# Altium PCB BluetoothAdapter3.0.PcbDoc
Units mm, origin at the board's own origin, x right, y up, seen from the top; angles counter-clockwise.
Board outline 55.7 x 35.2 mm, 2 copper layers (Top Layer, Bottom Layer); 72 components, 53 nets, 222 pads, 145 vias.
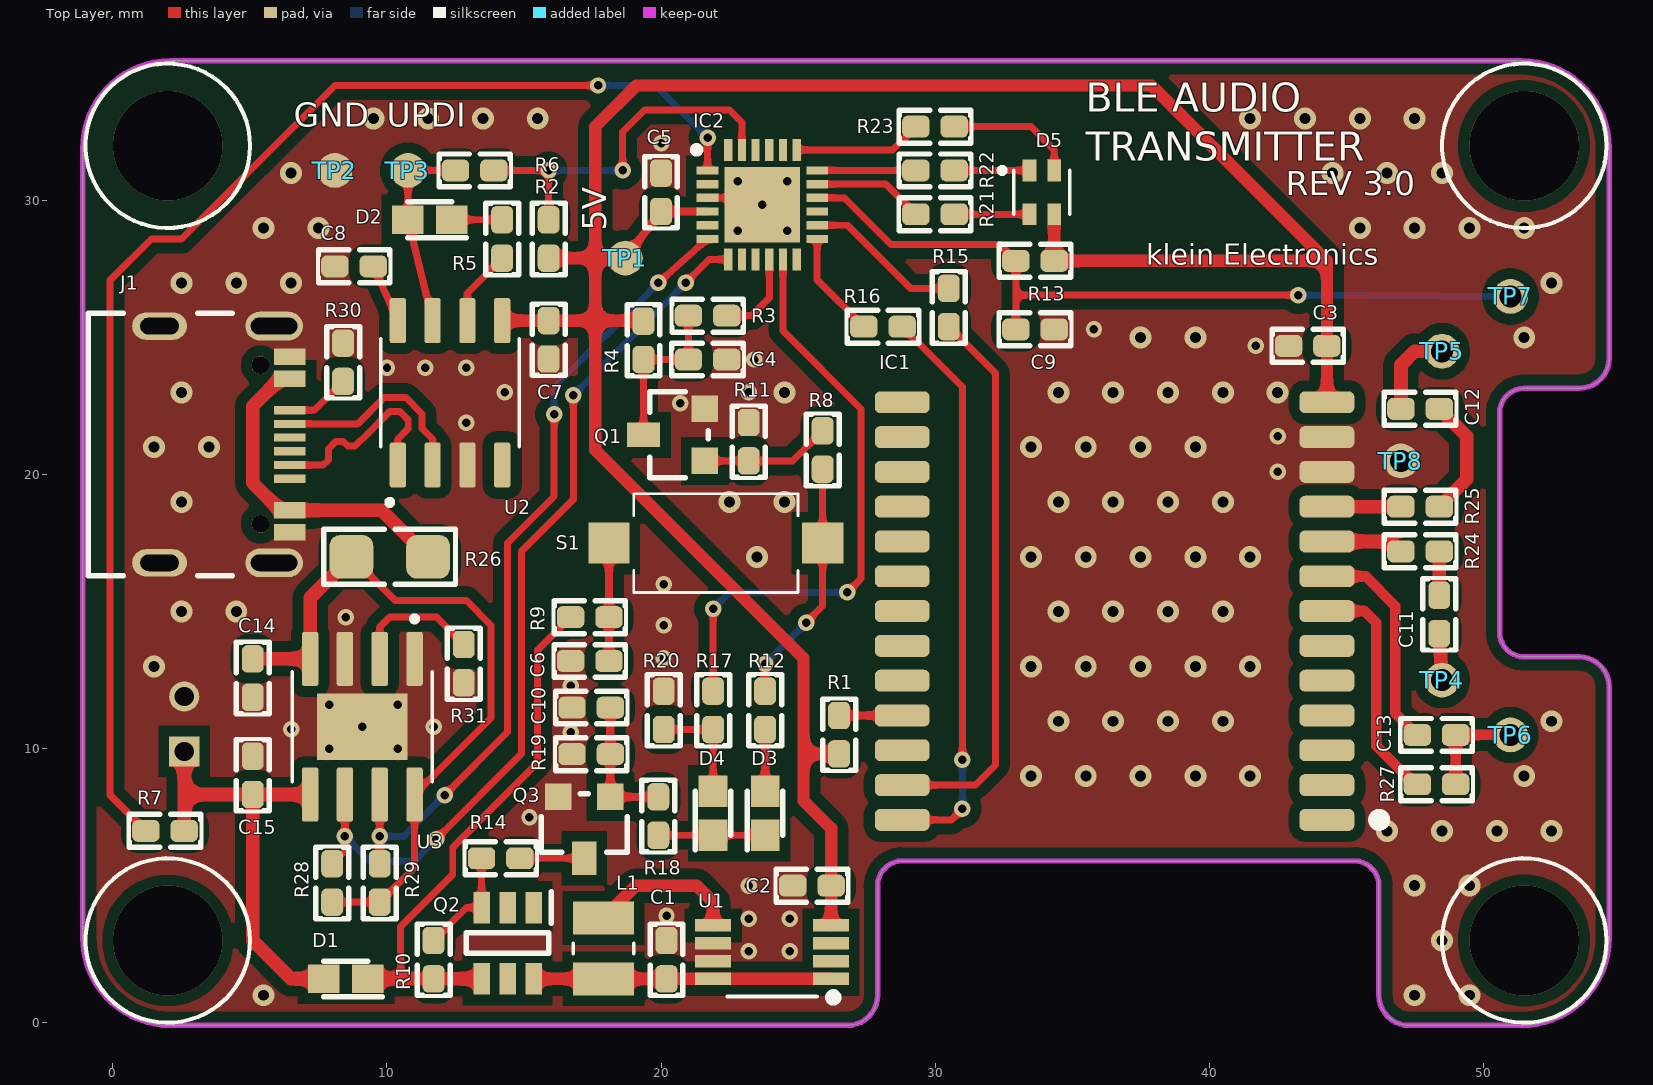
[diagram p0: Top Layer view]
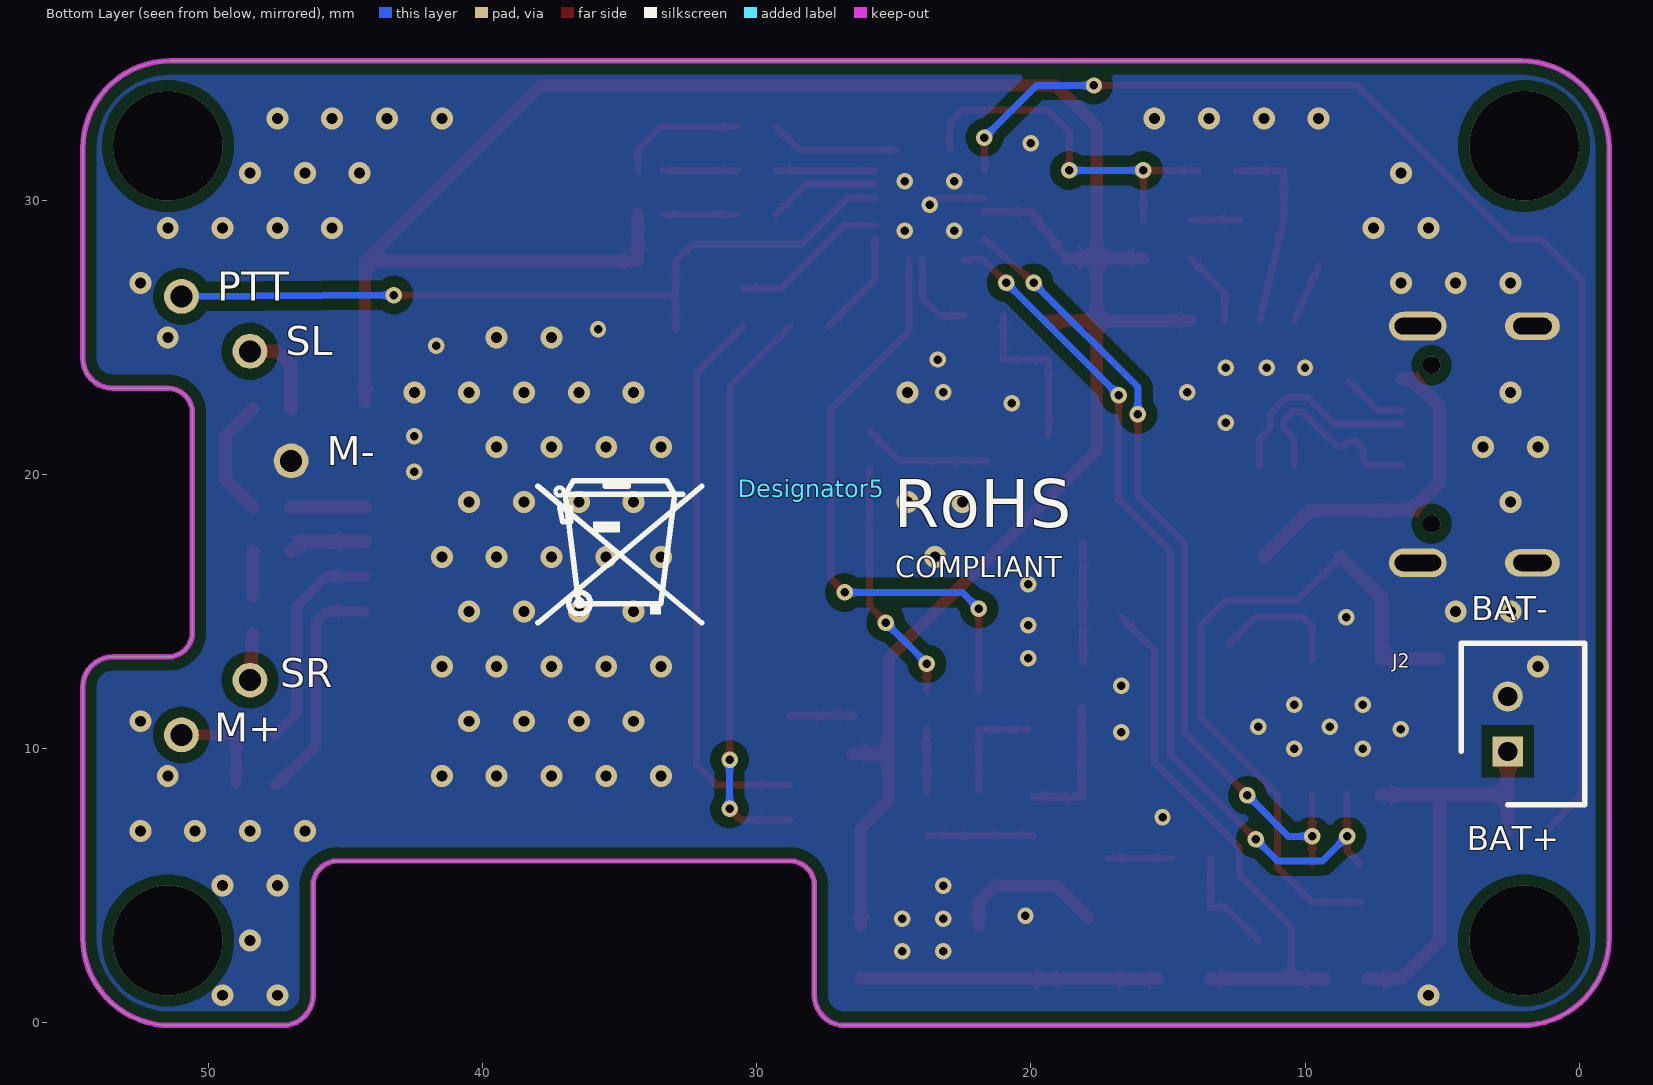
[diagram p1: Bottom Layer view, seen from below]
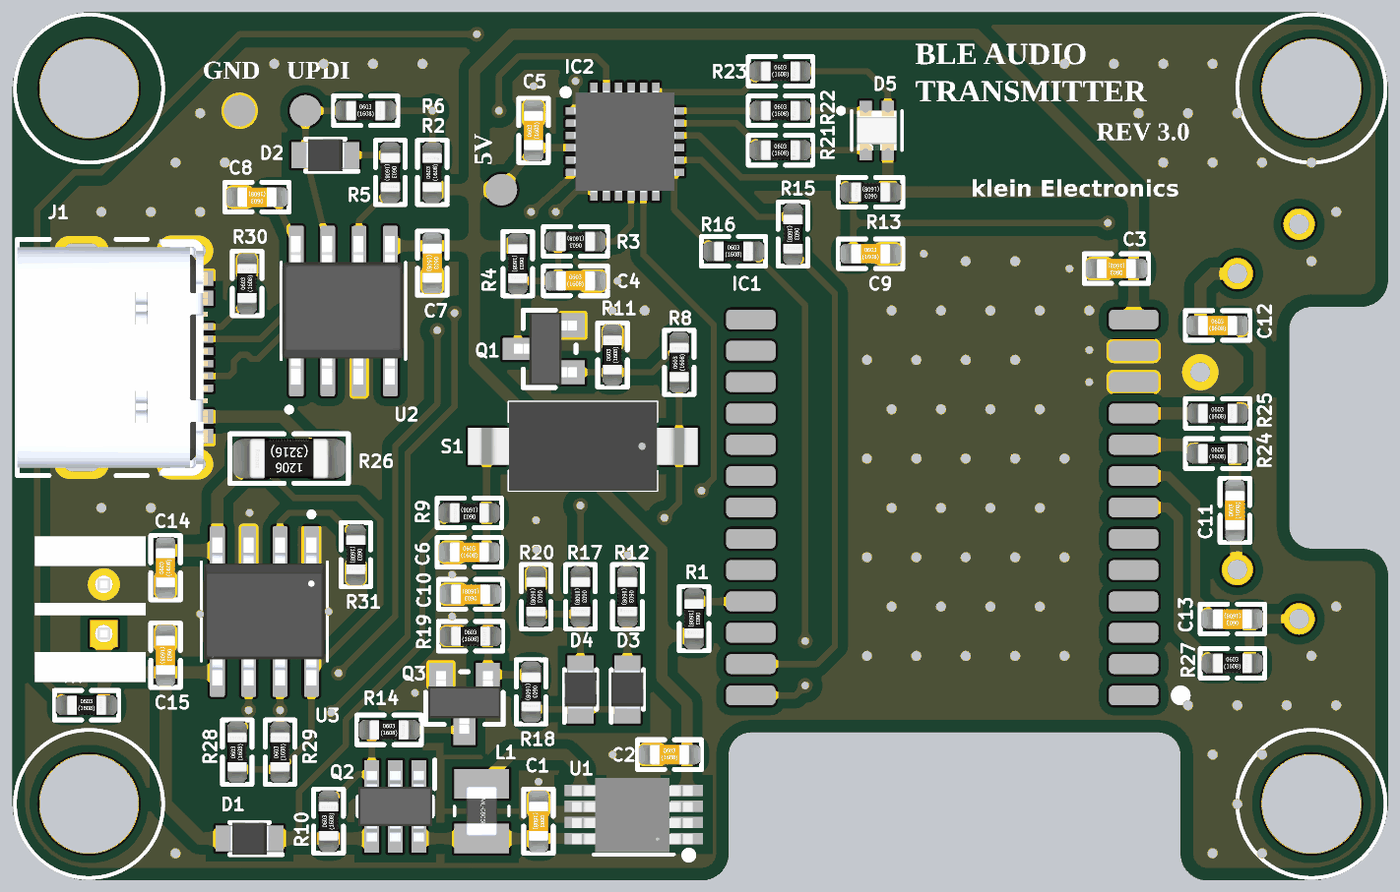
[diagram p2: 3D render of the assembled board from above, using the file's embedded part models]

## Layer stack, top to bottom
Top Solder: solder mask 0.0102, Solder Resist, Dk 3.5
Top Layer: signal copper 0.0356
Dielectric 1: dielectric 0.32, FR-4, Dk 4.8
Bottom Layer: signal copper 0.0356
Bottom Solder: solder mask 0.0102, Solder Resist, Dk 3.5

## Board outline
2.1,-0.1 26.8,-0.1 ccw(c26.8,1) 27.9,0.999 27.9,5 cw(c28.8,5) 28.799,5.9 45.3,5.9 cw(c45.3,5) 46.2,5.001 46.2,1 ccw(c47.3,1.001) 47.3,-0.1 51.389,-0.1 ccw(c51.411,3.089) 54.6,3.089 54.6,12.25 ccw(c53.5,12.25) 53.501,13.35 51.5,13.35 cw(c51.5,14.25) 50.6,14.25 50.6,22.25 cw(c51.5,22.25) 51.5,23.15 53.5,23.15 ccw(c53.5,24.25) 54.6,24.249 54.6,31.9 ccw(c51.4,31.9) 51.4,35.1 2.1,35.1 ccw(c2.1,31.9) -1.1,31.9 -1.1,3.101 ccw(c2.1,3.1)

## Design rules (kind name [scope] priority, off if disabled: settings)
Clearance Clearance_2 [InPoly] p1: gap=0.4 ignorepadtopadclearanceinfootprint=FALSE
Clearance Clearance_Footprint [HasFootprint('QFN50P400X400X90-25N-D') = false or InComponent('IC2')] p2: gap=0.15 ignorepadtopadclearanceinfootprint=FALSE
Clearance [All] p3: gap=0.254 ignorepadtopadclearanceinfootprint=FALSE
DiffPairsRouting [All] p1: maxlimit=0.254 minlimit=0.254 mostfreqgap=0.254 toplayer_minwidth=0.254 toplayer_maxwidth=0.381 toplayer_prefwidth=0.381 bottomlayer_minwidth=0.254 bottomlayer_maxwidth=0.381 bottomlayer_prefwidth=0.381 maxuncoupledlength=12.7
HoleSize [All] p1: absolutevalues=TRUE maxlimit=10 minlimit=0.025 maxpercent=80.000 minpercent=20.000
MatchedLengths [InDifferentialPairClass('USB2.0')] p1: tolerance=0.127 checknetsindiffpair=TRUE checkdiffpairvsdiffpair=FALSE checkxsignals=FALSE checkothers=FALSE
MinimumSolderMaskSliver [All] p1: minsoldermaskwidth=0
PolygonConnect [All] p1: connectstyle=Direct reliefconductorwidth=0.254 reliefentries=4 polygonreliefangle="90 Angle" airgapwidth=0.254
RoutingVias [All] p1: holewidth=0.31 width=0.6 viastyle="Through Hole" minholewidth=0.3 minwidth=0.6 maxholewidth=10 maxwidth=10
SilkToSilkClearance [All] p1: silktosilkclearance=0
SilkToSolderMaskClearance [IsPad] p1: minsilkscreentomaskgap=0 clearancetoexposedcopper=TRUE
SolderMaskExpansion [All] p1: expansion=0.102
Width [All] p1: maxlimit=2 minlimit=0.2 preferedwidth=0.254
25 further rules are at their usual default settings.

## Classes and differential pairs
differential pair class USB2.0: D
differential pair D: +D_P -D_N

## Components (designator, comment, footprint, x,y, rotation, side; value= is the part's Value field where it differs from the comment)
C1 "CAP CER 10UF 16V X5R 0603" C0603S 20.2,2.3 r270 top value=10uF/16V
C2 "CAP CER 10UF 16V X5R 0603" C0603S 25.506,5 r0 top value=10uF/16V
C3 "CAP CER 0.1UF 25V X7R 0603" C0603S 43.6,24.7 r180 top value=0.1uF/25V
C4 "CAP CER 0.1UF 25V X7R 0603" C0603S 21.7,24.2 r0 top value=0.1uF/25V
C5 "CAP CER 0.1UF 25V X7R 0603" C0603S 20,30.3 r90 top value=0.1uF/25V
C6 "CAP CER 100PF 25V X7R 0603" C0603S 17.4,13.2 r0 top value=100pF/25V
C7 "CAP CER 0.1UF 25V X7R 0603" C0603S 15.9,24.92 r270 top value=0.1uF/25V
C8 "CAP CER 0.1UF 25V X7R 0603" C0603S 8.8,27.6 r180 top value=0.1uF/25V
C9 "CAP CER 0.1UF 25V X7R 0603" C0603S 33.65,25.3 r0 top value=0.1uF/25V
C10 "CAP CER 0.1UF 25V X7R 0603" C0603S 17.45,11.5 r180 top value=0.1uF/25V
C11 "CAP CER 10UF 16V X5R 0603" C0603S 48.4,14.9 r90 top value=10uF/16V
C12 "CAP CER 10UF 16V X5R 0603" C0603S 47.7,22.4 r0 top value=10uF/16V
C13 "CAP CER 10UF 16V X5R 0603" C0603S 48.3,10.5 r180 top value=10uF/16V
C14 "CAP CER 10UF 16V X5R 0603" C0603S 5.1,12.575 r90 top value=10uF/16V
C15 "CAP CER 10UF 16V X5R 0603" C0603S 5.1,9.025 r270 top value=10uF/16V
D1 "DIODE SCHOTTKY 20V 1A 0805" DIOM1613X100N 8.5,1.6 r180 top value=SD0805S020S1R0
D2 "DIODE SCHOTTKY 20V 1A 0805" DIOM1613X100N 11.565,29.3 r180 top value=SD0805S020S1R0
D3 "DIODE SCHOTTKY 20V 1A 0805" DIOM1613X100N 23.8,7.64 r90 top value=SD0805S020S1R0
D4 "DIODE SCHOTTKY 20V 1A 0805" DIOM1613X100N 21.9,7.64 r90 top value=SD0805S020S1R0
D5 "LED RGB MIXED WHITE ( 1.6(L)X1.6" LED_B38G3RGB-10D0003H2U1930 33.9,30.3 r0 top value=B38G3RGB-10D0003H2U1930
Designator5 "Comment" PRT-13854 28,19.5 r180 bottom
IC1 "AUDIO BLE/SPP PASS-THROUGH MODU" DFR0781 44.3,22.64 r180 top value=DFR0781
IC2 "IC MCU 8BIT 32KB FLASH 24VQFN" QFN50P400X400X90-25N-D 23.7,29.85 r0 top value=ATTINY3217-MNR
J1 "CONN RCP USB2.0 TYP C 24P SMD RA" GCT_USB4105-GF-A 1.7,21.1 r270 top value=USB4105-GF-A
J2 "CONN HEADER VERT 2POS 2MM" SHDR2W50P0X200_1X2_590X450X600P 2.6,9.9 r270 bottom value=B2B-PH-K-S(LF)(SN)
L1 "FIXED IND 4.7UH 1.3A 120MOHM SMD" INDC2520X100N 17.9,2.71 r270 top value=4.7uH
Q1 "TRANS NPN 25V 0.5A SOT23" SOT23-3D 21.6,20.5 r90 top value=S8050
Q2 "MOSFET P-CH 30V 5A 6CPH" SOT95P285X140-6N 14.4,2.9 r270 top value=CPH6341-TL-W
Q3 "TRANS NPN 25V 0.5A SOT23" SOT23-3D 18.15,8.24 r180 top value=S8050
R1 "RES 10K OHM 1% 1/10W 0603" R0603S 26.5,10.51 r270 top value=10K
R2 "RES 100K OHM 1% 1/10W 0603" R0603S 15.9,28.6 r90 top value=100K
R3 "RES 56 OHM 1% 1/10W 0603" R0603S 21.7,25.8 r180 top value=56R
R4 "RES 10K OHM 1% 1/10W 0603" R0603S 19.36,24.9 r270 top value=10K
R5 "RES 1K OHM 1% 1/10W 0603" R0603S 14.2,28.6 r270 top value=1K
R6 "RES 470 OHM 1% 1/10W 0603" R0603S 13.2,31.1 r0 top value=470R
R7 "RES 10K OHM 1% 1/10W 0603" R0603S 1.9,7 r0 top value=10K
R8 "RES 10K OHM 1% 1/10W 0603" R0603S 25.9,20.9 r90 top value=10K
R9 "RES 56 OHM 1% 1/10W 0603" R0603S 17.4,14.8 r180 top value=56R
R10 "RES 10K OHM 1% 1/10W 0603" R0603S 11.7,2.3 r90 top value=10K
R11 "RES 10K OHM 1% 1/10W 0603" R0603S 23.2,21.2 r90 top value=10K
R12 "RES 10K OHM 1% 1/10W 0603" R0603S 23.8,11.4 r270 top value=10K
R13 "RES 10K OHM 1% 1/10W 0603" R0603S 33.65,27.8 r180 top value=10K
R14 "RES 1K OHM 1% 1/10W 0603" R0603S 14.15,6 r0 top value=1K
R15 "RES 1K OHM 1% 1/10W 0603" R0603S 30.5,26.1 r270 top value=1K
R16 "RES 1K OHM 1% 1/10W 0603" R0603S 28.1,25.4 r0 top value=1K
R17 "RES 200 OHM 1% 1/10W 0603" R0603S 21.9,11.4 r270 top value=200R
R18 "RES 1K OHM 1% 1/10W 0603" R0603S 19.9,7.54 r270 top value=1K
R19 "RES 200K OHM 1% 1/10W 0603" R0603S 17.45,9.8 r0 top value=200K
R20 "RES 10K OHM 1% 1/10W 0603" R0603S 20.1,11.4 r270 top value=10K
R21 "RES 1K OHM 1% 1/10W 0603" R0603S 30,29.5 r0 top value=1K
R22 "RES 1K OHM 1% 1/10W 0603" R0603S 30,31.1 r0 top value=1K
R23 "RES 1K OHM 1% 1/10W 0603" R0603S 30,32.7 r0 top value=1K
R24 "RES 22 OHM 5% 1/10W 0603" R0603S 47.7,17.2 r0 top value=22R
R25 "RES 22 OHM 5% 1/10W 0603" R0603S 47.7,18.83 r0 top value=22R
R26 "RES 0.4 OHM 1% 1/4W 1206" R1206S 10.1,17 r180 top value=0.4R
R27 "RES 6.2K OHM 1% 1/10W 0603" R0603S 48.3,8.7 r0 top value=6.2K
R28 "RES 2K OHM 1% 1/10W 0603" R0603S 8,5.1 r90 top value=2K
R29 "RES 2K OHM 1% 1/10W 0603" R0603S 9.735,5.1 r90 top value=2K
R30 "RES 5.1K OHM 1% 1/10W 0603" R0603S 8.4,24.1 r90 top value=5.1K
R31 "RES 2.7K OHM 1% 1/10W 0603" R0603S 12.8,13.1 r270 top value=2.7K
S1 "SWITCH TACTILE SPST-NO 0.05A 12V" RS282G05A3SMRT 22,17.5 r180 top value="RS-282G05A3-SM RT"
TP1 "TP" TP#1 18.7,27.9 r90 top
TP2 "TP" TP#1 8.1,31.1 r90 top
TP3 "TP" TP#1 10.765,31.1 r90 top
TP4 "TP" TP#2 48.5,12.5 r180 top
TP5 "TP" TP#2 48.5,24.5 r180 top
TP6 "TP" TP#2 51,10.5 r180 top
TP7 "TP" TP#2 51,26.5 r180 top
TP8 "TP" TP#2 47,20.5 r180 top
U1 "IC REG BOOST 5V 800MA 8MSOP" MCP1642B-50I/MS 24,2.448 r180 top value=MCP1642B-50I/MS
U2 "IC USB TO UART BRIDGE SOP-8" SOIC127P602X173-8N 12.3,22.985 r90 top value=CH340N
U3 "ESOP-8 Battery Management ICs" SOP127P600X175-9N 9.1,10.8 r270 top value=TP4056

## Footprints (in the part's own frame and the unit in brackets; to place one, negate y for a bottom-side part, rotate by r counter-clockwise, add the part's x,y. Pads: shape width x height; smd on the part's side, far side on the other; paste and mask are expansions set on the pad)
C0603S [mm] "CHIP Capacitor, 1.6X0.8mm, 0603, soldered"
  rrect50% 1x0.8 smd mask+0.075: 1(-0.7,0) 2(0.7,0)
  silkscreen extent -1.33,-0.6 1.32,0.6, body extent -1.28,-0.48 1.28,0.48, height 0.8
DFR0781 [mm]
  rrect50% 2x0.8 smd: 1(0,15.24) 2(0,13.97) 3(0,12.7) 4(0,11.43) 5(0,10.16) 6(0,8.89) 7(0,7.62) 8(0,6.35) 9(0,5.08) 10(0,3.81) 11(0,2.54) 12(0,1.27) 13(0,0) 14(15.5,0) 15(15.5,1.27) 16(15.5,2.54) 17(15.5,3.81) 18(15.5,5.08) 19(15.5,6.35) 20(15.5,7.62) 21(15.5,8.89) 22(15.5,10.16) 23(15.5,11.43) 24(15.5,12.7) 25(15.5,13.97) 26(15.5,15.24)
  silkscreen extent -2.1,15.04 -1.71,15.44, body extent -0.1,-0.9 15.6,22.54, height 2
DIOM1613X100N [mm]
  rect 1.15x1.05 smd: 1(-0.8,0) 2(0.8,0)
  silkscreen extent -1.33,-0.65 0.8,0.65, body extent -0.8,-0.65 0.8,0.65, height 1
GCT_USB4105-GF-A [mm]
  rect 0.6x1.15 smd: A1_B12(-3.2,4.755) A4_B9(-2.4,4.755) B1_A12(3.2,4.755) B4_A9(2.4,4.755)
  rect 0.3x1.15 smd: A5(-1.25,4.755) A6(-0.25,4.755) A7(0.25,4.755) A8(1.25,4.755) B6(0.75,4.755) B7(-0.75,4.755)
  oval 1.05x2.1 hole 0.6 slot 1.7 at 90 deg: S1(-4.32,4.18) S4(4.32,4.18)
  oval 1x2 hole 0.6 slot 1.4 at 90 deg: S2(-4.32,0) S3(4.32,0)
  round 0.65 hole 0.65 unplated: ""(-2.89,3.68) ""(2.89,3.68)
  silkscreen extent -4.79,-2.6 4.79,2.65, body extent -4.79,-2.6 4.79,5.11, height 3.31
INDC2520X100N [mm]
  rect 1.2x2.22 smd: 1(-1.11,0) 2(1.11,0)
  silkscreen extent -0.19,-1.1 0.19,1.1, body extent -1,-0.63 1,0.63, height 0.82
LED_B38G3RGB-10D0003H2U1930 [mm]
  rect 0.5x0.8 smd: 1(-0.45,0.8) 2(0.45,0.8) 3(0.45,-0.8) 4(-0.45,-0.8)
  silkscreen extent -1.55,-0.8 1.02,0.9, body extent -0.8,-0.8 0.8,0.8, height 0.4
MCP1642B-50I/MS [mil]
  rect 51.46x18 smd paste+0 mask+0: 1(-86.85,33.39) 2(-86.85,7.8) 3(-86.85,-17.8) 4(-86.85,-43.39) 5(82.6,-43.39) 6(82.6,-17.8) 7(82.6,7.8) 8(82.6,33.39)
  silkscreen extent -96,54 62,66, body extent -96,-63 96,55, height 43
PRT-13854 [mm]
  body extent -20.2,-19 22.8,15, height 7
QFN50P400X400X90-25N-D [mm]
  rect 0.8x0.3 smd: 1(-2,1.25) 2(-2,0.75) 3(-2,0.25) 4(-2,-0.25) 5(-2,-0.75) 6(-2,-1.25) 13(2,-1.25) 14(2,-0.75) 15(2,-0.25) 16(2,0.25) 17(2,0.75) 18(2,1.25)
  rect 0.3x0.8 smd: 7(-1.25,-2) 8(-0.75,-2) 9(-0.25,-2) 10(0.25,-2) 11(0.75,-2) 12(1.25,-2) 19(1.25,2) 20(0.75,2) 21(0.25,2) 22(-0.25,2) 23(-0.75,2) 24(-1.25,2)
  rect 2.75x2.75 smd: 25(0,0)
  silkscreen extent -2.52,1.88 -2.27,2.12, body extent -2.05,-2.05 2.05,2.05, height 0.9
R0603S [mm] "CHIP Resistor 1/10 WATT, 1.6x0.8mm, 0603, 1608, soldered"
  rrect50% 1x0.8 smd mask+0.05: 1(-0.7,0) 2(0.7,0)
  silkscreen extent -1.32,-0.6 1.32,0.6, body extent -1.23,-0.4 1.23,0.4, height 0.8
R1206S [mm] "CHIP RESISTOR 1/4 WATT, Body 3.2x1.6mm,1206, 3216, soldered"
  rrect50% 1.6x1.6 smd mask+0.075: 1(-1.4,0) 2(1.4,0)
  Top Layer pour cut-out: -0.8,1 -0.8,-1 0.8,-1 0.8,1
  silkscreen extent -2.4,-1 2.4,1, body extent -2.27,-0.8 2.27,0.8, height 1.25
RS282G05A3SMRT [mm]
  rect 1.5x1.5 smd: 1(-3.9,0) 2(3.9,0)
  silkscreen extent -3,-1.8 3,1.8, body extent -4.65,-1.8 4.65,1.8, height 2.49
SHDR2W50P0X200_1X2_590X450X600P [mm]
  rect 1.1x1.1 / inner round 1.1 / far side rect 1.1x1.1 hole 0.7: 1(0,0)
  round 1.1 hole 0.7: 2(-2,0)
  silkscreen extent -3.95,-1.7 1.95,2.8, body extent -3.95,-1.7 1.95,2.8, height 3.4
SOIC127P602X173-8N [mm]
  rrect25% 1.64x0.59 smd: 1(-2.635,1.905) 2(-2.635,0.635) 3(-2.635,-0.635) 4(-2.635,-1.905) 5(2.635,-1.905) 6(2.635,-0.635) 7(2.635,0.635) 8(2.635,1.905)
  silkscreen extent -4.1,-2.52 1.97,2.52, body extent -2.99,-2.43 3.03,2.48, height 1.66
SOP127P600X175-9N [mm]
  rrect25% 1.97x0.6 smd: 1(-2.475,1.905) 2(-2.475,0.635) 3(-2.475,-0.635) 4(-2.475,-1.905) 5(2.475,-1.905) 6(2.475,-0.635) 7(2.475,0.635) 8(2.475,1.905)
  rect 2.413x3.302 smd paste-3: 9(0,0)
  silkscreen extent -4.04,-2.55 2,2.55, body extent -3,-2.45 3,2.45, height 1.7
SOT23-3D [mm]
  rect 0.965x0.965 smd: 1(0,0) 3(1.9,0)
  rect 0.889x1.219 smd: 2(0.95,2.24)
  silkscreen extent -0.62,-0.12 2.52,2.02, body extent -0.51,-0.15 2.41,2.39, height 1
SOT95P285X140-6N [mm]
  rect 1.15x0.6 smd: 1(-1.3,0.95) 2(-1.3,0) 3(-1.3,-0.95) 4(1.3,-0.95) 5(1.3,0) 6(1.3,0.95)
  silkscreen extent -1.88,-1.5 0.38,1.6, body extent -1.43,-1.5 1.43,1.5, height 1.4
TP#1 [mm]
  round 1.27 smd: 1(0,0)
TP#2 [mm]
  round 1.27 hole 0.8: 1(0,0)

## Part data
C1 C2 C11 C12 C13 C14 C15: library part Cap, "10 µF ±20% 16V Ceramic Capacitor X5R 0603 (1608 Metric)", Digi-Key Part Number=490-10729-6-ND, Manufacturer="Murata Electronics", Manufacturer Product Number=GRM188R61C106MAALD, TemperatureCoefficient=X5R, Digi-Key PurchaseURL=https://www.digikey.com/en/products/detail/murata-electronics/GRM188R61C106MAALD/4905340
C3 C4 C5 C7 C8 C9 C10: library part Cap, "0.1 µF ±10% 25V Ceramic Capacitor X7R 0603 (1608 Metric)", Digi-Key Part Number=399-C0603C104K3RAC7867TR-ND, Manufacturer=KEMET, Manufacturer Product Number=C0603C104K3RAC7867, TemperatureCoefficient=X7R, Digi-Key PurchaseURL=https://www.digikey.com/en/products/detail/kemet/C0603C104K3RAC7867/416044
C6: library part Cap, "0.1 µF ±10% 25V Ceramic Capacitor X7R 0603 (1608 Metric)", Digi-Key Part Number=399-C0603C101K3RACAUTODKR-ND, Manufacturer=KEMET, Manufacturer Product Number=C0603C101K3RACAUTO, TemperatureCoefficient=X7R, Digi-Key PurchaseURL=https://www.digikey.com/en/products/detail/kemet/C0603C101K3RACAUTO/10642423
D1 D2 D3 D4: library part SD0805S020S1R0, "Diode 20 V 1A Surface Mount 0805 (2012 Metric)", Digi-Key Part Number=581-SD0805S020S1R0, Manufacturer=AVX, Digi-Key PurchaseURL=https://www.mouser.co.uk/ProductDetail/AVX-Kyocera/SD0805S020S1R0?qs=jCA%252BPfw4LHbpkAoSnwrdjw%3D%3D, Manufacturer Product Number=SD0805S020S1R0
D5: library part B38G3RGB-10D0003H2U1930, "Red, Green, Blue (RGB) LED Indication - Discrete 2V Red, 3V Green, 3V Blue 0606 (1616 Metric)", Digi-Key Part Number=3147-B38G3RGB-10D0003H2U1930DKR-ND, Manufacturer="Harvatek Corporation", Digi-Key PurchaseURL=https://www.digikey.com/en/products/detail/harvatek-corporation/B38G3RGB-10D0003H2U1930/13588733?s=N4IgTCBcDaIEIGYAcBxBAlFcC0BGADACL4kIASYAqrgJwL4gC6AvkA, Manufacturer Product Number=B38G3RGB-10D0003H2U1930
IC1: library part DFR0781, "Bluetooth Bluetooth v5.0 Transceiver Module Antenna Not Included Surface Mount", Digi-Key Part Number=1738-DFR0781-ND, Manufacturer=DFRobot, Digi-Key PurchaseURL=https://www.digikey.com/en/products/detail/dfrobot/DFR0781/13688344?s=N4IgTCBcDaICYDMBOAGA7ADgIwgLoF8g, Manufacturer Product Number=DFR0781
IC2: library part ATTINY3217-MNR, "AVR tinyAVR™ 1, Functional Safety (FuSa) Microcontroller IC 8-Bit 20MHz 32KB (32K x 8) FLASH 24-VQFN (4x4)", Digi-Key Part Number=ATTINY3217-MNRDKR-ND, Manufacturer=Microchip, Digi-Key PurchaseURL=https://www.digikey.com/en/products/detail/microchip-technology/ATTINY3217-MNR/9477738?s=N4IgTCBcDaIIIBUEEkByBNAzGAjAdgFoBZVAJRAF0BfIA, Manufacturer Product Number=ATTINY3217-MNR
J1: library part USB4105-GF-A, "USB-C (USB TYPE-C) USB 2.0 Receptacle Connector 24 (16+8 Dummy) Position Surface Mount, Right Angle; Through Hole", Digi-Key Part Number=2073-USB4105-GF-ADKR-ND, Manufacturer=GCT, Digi-Key PurchaseURL=https://www.digikey.com/en/products/detail/gct/USB4105-GF-A/11198441, Manufacturer Product Number=USB4105-GF-A
J2: library part B2B-PH-K-S(LF)(SN), "Connector Header Through Hole 2 position 0.079\" (2.00mm)", Digi-Key Part Number=455-1704-ND, Manufacturer="JST Sales America Inc.", Digi-Key PurchaseURL=https://www.digikey.com/en/products/detail/jst-sales-america-inc/B2B-PH-K-S-LF-SN/926611, Manufacturer Product Number=B2B-PH-K-S(LF)(SN)
L1: library part AIML-1008HC-4R7M-T, "4.7 µH Shielded Multilayer Inductor 1.3 A 120mOhm 1008 (2520 Metric)", Digi-Key Part Number=535-12797-6-ND, Manufacturer="Abracon LLC", Digi-Key PurchaseURL=https://www.digikey.com/en/products/detail/abracon-llc/AIML-1008HC-4R7M-T/5043494?s=N4IgTCBcDaIIIEkCyAZAtARgAxYBwAkBhNAFgCUB2JNAFRAF0BfIA, Manufacturer Product Number=AIML-1008HC-4R7M-T
Q1 Q3: library part S8050, "Bipolar (BJT) Transistor NPN 25 V 500 mA 150MHz 300 mW Surface Mount SOT-23", Digi-Key Part Number=3372-S8050TR-ND, Manufacturer=MDD, Digi-Key PurchaseURL=https://www.digikey.com/en/products/detail/nextgen-components/S8050/16602420, Manufacturer Product Number=S8050
Q2: library part CPH6341-TL-W, "P-Channel 30 V 5A (Ta) 1.6W (Ta) Surface Mount 6-CPH", Digi-Key Part Number=CPH6341-TL-WOSDKR-ND, Manufacturer=onsemi, Digi-Key PurchaseURL=https://www.digikey.com/en/products/detail/onsemi/CPH6341-TL-W/4847611, Manufacturer Product Number=CPH6341-TL-W
R1 R4 R7 R8 R10 R11 R12 R13 R20: library part R0603, "10 kOhms ±1% 0.1W, 1/10W Chip Resistor 0603 (1608 Metric) Moisture Resistant Thick Film", Digi-Key Part Number=311-10.0KHRCT-ND, Manufacturer=YAGEO, Manufacturer Product Number=RC0603FR-0710KL, Digi-Key PurchaseURL=https://www.digikey.com/en/products/detail/yageo/RC0603FR-0710KL/726880
R2: library part R0603, "100 kOhms ±1% 0.1W, 1/10W Chip Resistor 0603 (1608 Metric) Moisture Resistant Thick Film", Digi-Key Part Number=311-100KHRDKR-ND, Manufacturer=YAGEO, Manufacturer Product Number=RC0603FR-07100KL, Digi-Key PurchaseURL=https://www.digikey.com/en/products/detail/yageo/RC0603FR-07100KL/726889?s=N4IgTCBcDaIEoGEAMA2JBmAYnAtEg7AIxJIDSAMiALoC%2BQA
R3 R9: library part R0603, "1 kOhms ±1% 0.1W, 1/10W Chip Resistor 0603 (1608 Metric) Moisture Resistant Thick Film", Digi-Key Part Number=311-56.0HRDKR-ND, Manufacturer=YAGEO, Manufacturer Product Number=RC0603FR-0756RL, Digi-Key PurchaseURL=https://www.digikey.com/en/products/detail/yageo/RC0603FR-0756RL/727301
R5 R14 R15 R16 R18 R21 R22 R23: library part R0603, "1 kOhms ±1% 0.1W, 1/10W Chip Resistor 0603 (1608 Metric) Moisture Resistant Thick Film", Digi-Key Part Number=311-1.00KHRTR-ND, Manufacturer=YAGEO, Manufacturer Product Number=RC0603FR-071KL, Digi-Key PurchaseURL=https://www.digikey.com/en/products/detail/yageo/RC0603FR-071KL/726843
R6: library part R0603, "470 Ohms ±1% 0.1W, 1/10W Chip Resistor 0603 (1608 Metric) Moisture Resistant Thick Film", Digi-Key Part Number=311-470HRDKR-ND, Manufacturer=YAGEO, Manufacturer Product Number=RC0603FR-07470RL, Digi-Key PurchaseURL=https://www.digikey.com/en/products/detail/yageo/RC0603FR-07470RL/727256
R17: library part R0603, "10 kOhms ±1% 0.1W, 1/10W Chip Resistor 0603 (1608 Metric) Moisture Resistant Thick Film", Digi-Key Part Number=311-200HRDKR-ND, Manufacturer=YAGEO, Manufacturer Product Number=RC0603FR-07200RL, Digi-Key PurchaseURL=https://www.digikey.com/en/products/detail/yageo/RC0603FR-07200RL/727043
R19: library part R0603, "100 kOhms ±1% 0.1W, 1/10W Chip Resistor 0603 (1608 Metric) Moisture Resistant Thick Film", Digi-Key Part Number=13-RC0603FR-10200KLDKR-ND, Manufacturer=YAGEO, Manufacturer Product Number=RC0603FR-10200KL, Digi-Key PurchaseURL=https://www.digikey.com/en/products/detail/yageo/RC0603FR-10200KL/14008344
R24 R25: library part R0603, "22 Ohms ±5% 0.1W, 1/10W Chip Resistor 0603 (1608 Metric) Moisture Resistant Thick Film", Digi-Key Part Number=311-22GRDKR-ND, Manufacturer=YAGEO, Manufacturer Product Number=RC0603JR-0722RL, Digi-Key PurchaseURL=https://www.digikey.com/en/products/detail/yageo/RC0603JR-0722RL/726743?s=N4IgTCBcDaIEoGEAMA2JBmAUnAtEg7GGHADIgC6AvkA
R26: library part R0603, "400 mOhms ±1% 0.25W, 1/4W Chip Resistor 1206 (3216 Metric) Automotive AEC-Q200, Current Sense, Moisture Resistant Thick Film", Digi-Key Part Number=311-.4LWDKR-ND, Manufacturer=YAGEO, Manufacturer Product Number=RL1206FR-070R4L, Digi-Key PurchaseURL=https://www.digikey.com/en/products/detail/yageo/RL1206FR-070R4L/3886028
R27: library part R0603, "6.2 kOhms ±1% 0.1W, 1/10W Chip Resistor 0603 (1608 Metric) Moisture Resistant Thick Film", Digi-Key Part Number=311-6.20KHRDKR-ND, Manufacturer=YAGEO, Manufacturer Product Number=RC0603FR-076K2L, Digi-Key PurchaseURL=https://www.digikey.com/en/products/detail/yageo/RC0603FR-076K2L/727319?s=N4IgTCBcDaIEoGEAMA2JBmAYnAtEg7CgNJgAyIAugL5A
R28 R29: library part R0603, "2 kOhms ±1% 0.1W, 1/10W Chip Resistor 0603 (1608 Metric) Moisture Resistant Thick Film", Digi-Key Part Number=311-2.00KHRDKR-ND, Manufacturer=YAGEO, Manufacturer Product Number=RC0603FR-072KL, Digi-Key PurchaseURL=https://www.digikey.com/en/products/detail/yageo/RC0603FR-072KL/727009
R30: library part R0603, "5.1kOhms ±1% 0.1W, 1/10W Chip Resistor 0603 (1608 Metric) Moisture Resistant Thick Film", Digi-Key Part Number=311-5.10KHRDKR-ND, Manufacturer=YAGEO, Manufacturer Product Number=RC0603FR-075K1L, Digi-Key PurchaseURL=https://www.digikey.com/en/products/detail/yageo/RC0603FR-075K1L/727268?s=N4IgTCBcDaIEoGEAMA2JBmAYnAtEg7AKwDSAjADIgC6AvkA
R31: library part R0603, "2.7 kOhms ±1% 0.1W, 1/10W Chip Resistor 0603 (1608 Metric) Moisture Resistant Thick Film", Digi-Key Part Number=311-2.70KHRDKR-ND, Manufacturer=YAGEO, Manufacturer Product Number=RC0603FR-072K7L, Digi-Key PurchaseURL=https://www.digikey.com/en/products/detail/yageo/RC0603FR-072K7L/727032
S1: library part RS282G05A3SMRT, "Tactile Switch SPST-NO Top Actuated Surface Mount", Digi-Key Part Number=CKN10384DKR-ND, Manufacturer="C & K COMPONENTS", Manufacturer Product Number="RS-282G05A3-SM RT", Digi-Key PurchaseURL=https://www.digikey.com/en/products/detail/c-k/RS-282G05A3-SM-RT/2747190
U1: library part MCP1642B-50I/MS, "Boost Switching Regulator IC Positive Fixed 5V 1 Output 800mA 8-TSSOP, 8-MSOP (0.118\", 3.00mm Width)", Digi-Key Part Number=MCP1642B-50I/MS-ND, Manufacturer="Microchip Technology", Digi-Key PurchaseURL=https://www.digikey.com/en/products/detail/microchip-technology/MCP1642B-50I-MS/5137716?s=N4IgTCBcDaILIGEAKBGAbAFjAIQLQFYAGASQHo4BlEAXQF8g, Manufacturer Product Number=MCP1642B-50I/MS
U2: library part CH340N, Digi-Key Part Number=C506813, Manufacturer="WCH(Jiangsu Qin Heng)", Digi-Key PurchaseURL=https://www.lcsc.com/product-detail/USB-ICs_WCH-Jiangsu-Qin-Heng-CH340N_C506813.html, Manufacturer Product Number=CH340N
U3: library part TP4056, "Complete single cell Li-Ion battery with a constant current / constant voltage linear charger", Digi-Key Part Number=C382139, Manufacturer="TPOWER semiconductor Co.,LTD.", Digi-Key PurchaseURL=https://www.lcsc.com/product-detail/Battery-Management-ICs_TPOWER-TP4056_C382139.html, Manufacturer Product Number=TP4056

## Via types
v1: diameter 0.8, hole 0.4, Top Layer to Bottom Layer, tented both sides, 84 vias
v2: diameter 0.6, hole 0.31, Top Layer to Bottom Layer, tented both sides, 47 vias
v3: diameter 0.6, hole 0.31, Top Layer to Bottom Layer, tented bottom, 10 vias
v4: diameter 4, hole 4, Top Layer to Bottom Layer, 4 vias

## Nets (pads, with @x,y where several pads share a name; then routed paths per layer and width w, separated by ;. In a path a pad name is that pad's centre, name@x,y a point inside that pad or via, vN(x,y) a via of type N, cw(c..) or ccw(c..) an arc to the next point about the centre after c; other vN are vias at no path point)
5V: C2.2 C3.1 C5.1 C7.1 D5.3 IC1.13 IC2.4 R1.2 R2.1 R4.1 R13.1 TP1.1 U1.4 U2.5 | length 92.6
  Top Layer w0.3: TP1.1 C5.1 IC2.4
  Top Layer w0.45: U2.5 C7.1 17.6,25.62 ; R2.1 17.6,27.9 ; TP1.1 17.6,27.9 ; R4.1 19.36,25.62 17.6,25.62 ; U1.4 C2.2 26.206,7.094 25.2,8.1 25.2,9.81 ; R1.2 25.2,9.81 ; D5.3 R13.1 44.3,27.8 ; IC1.13 C3.1 44.3,27.8 ; 17.6,25.62 17.6,27.9 ; 17.6,25.62 17.6,20.9 25.2,13.3 25.2,9.81 ; 17.6,27.9 17.6,32.7 19.1,34.2 37.9,34.2 44.3,27.8
+BATT: C15.2 D1.2 J2.1 R7.2 U3.5 | length 16
  Top Layer w0.5: R7.2 2.6,8.325 ; J2.1 2.6,8.325 ; U3.5 C15.2 ; D1.2 6.5,1.6 5.1,3 C15.2 ; 2.6,8.325 C15.2
CHRG: IC2.6 R29.2 U3.7 | length 29.9
  Top Layer w0.254: R29.2 v2(9.735,6.8) U3.7 ; v2(12.1,8.3) 14.4,10.6 14.4,17.5 16.1,19.2 v2(16.1,22.2) ; v2(19.9,27) IC2.6
  Bottom Layer w0.254: v2(9.735,6.8) 10.6,6.8 v2(12.1,8.3) ; v2(16.1,22.2) 16.1,23.2 v2(19.9,27)
D_N: J1.B7 U2.2 | length 7.5
  Top Layer w0.254: J1.B7 7.55,21.85 8.932,21.85 9.89,22.808 10.686,22.808 11.284,22.21 11.284,21.678 11.665,21.297 U2.2
D_P: J1.B6 U2.1 | length 7.4
  Top Layer w0.254: J1.B6 7.35,20.35 7.671,20.35 7.862,20.54 7.862,20.938 8.131,21.207 8.4,21.207 8.569,21.039 8.839,21.039 9.3,21.5 10.1,22.3 10.476,22.3 10.776,22 10.776,21.678 10.395,21.297 U2.1
DACL: IC1.10 R25.1 | length 2.7
  Top Layer w0.5: IC1.10 R25.1
DACR: IC1.9 R24.1 | length 2.8
  Top Layer w0.5: IC1.9 46.64,17.56 R24.1
DVDD: IC1.7 R27.1 | length 8.6
  Top Layer w0.381: IC1.7 45.68,15.02 46.1,14.6 46.1,10.1 47.5,8.7 R27.1
GND: C1.1 C2.1 C3.2 C4.2 C5.2 C6.1 C7.2 C8.2 C9.2 C10.2 C14.1 C15.1 IC1.11 IC1.12 IC2.3 IC2.25 J1.A1_B12 J1.B1_A12 J1.S1 J1.S2 J1.S3 J1.S4 J2.2 Q1.3 Q3.3 R11.2 R19.1 R20.1 R30.2 R31.2 TP2.1 TP8.1 U1.6 U1.7 U2.3 U3.1 U3.3 U3.9 | length 2.1
  Top Layer w0.254: IC2.3 23.45,30.1 v3(23.7,29.85)
  other v1: 5.5,1 47.5,1 49.5,1 48.5,3 47.5,5 49.5,5 46.5,7 48.5,7 50.5,7 52.5,7 33.5,9 35.5,9 37.5,9 39.5,9 41.5,9 51.5,9 34.5,11 36.5,11 38.5,11 40.5,11 52.5,11 1.5,13 33.5,13 35.5,13 37.5,13 39.5,13 41.5,13 2.5,15 4.5,15 34.5,15 36.5,15 38.5,15 40.5,15 23.5,17 33.5,17 35.5,17 37.5,17 39.5,17 41.5,17 2.5,19 22.5,19 24.5,19 34.5,19 36.5,19 38.5,19 40.5,19 1.5,21 3.5,21 33.5,21 35.5,21 37.5,21 39.5,21 2.5,23 24.5,23 34.5,23 36.5,23 38.5,23 40.5,23 42.5,23 37.5,25 39.5,25 51.5,25 2.5,27 4.5,27 6.5,27 52.5,27 5.5,29 7.5,29 45.5,29 47.5,29 49.5,29 51.5,29 6.5,31 44.5,31 46.5,31 48.5,31 9.5,33 11.5,33 13.5,33 15.5,33 41.5,33 43.5,33 45.5,33 47.5,33
  other v2: 23.2,2.6 24.7,2.6 23.2,3.8 24.7,3.8 20.2,3.9 23.2,5 15.2,7.5 16.7,10.6 6.5,10.7 11.7,10.8 16.7,12.3 20.1,13.3 20.1,14.5 8.5,14.8 20.1,16 42.5,20.1 42.5,21.4 12.9,21.9 20.7,22.6 14.3,23 23.2,23 10,23.9 11.4,23.9 12.9,23.9 23.4,24.2 41.7,24.7 35.8,25.3 20,32.1
  other v3: 7.9,10 10.4,10 9.1,10.8 7.9,11.6 10.4,11.6 22.8,28.9 24.6,28.9 22.8,30.7 24.6,30.7
KEY: IC2.10 R3.1 | length 3.2
  Top Layer w0.254: R3.1 23.3,25.8 23.95,26.45 IC2.10
LED_B: IC2.19 R23.1 | length 4.7
  Top Layer w0.254: IC2.19 28.45,31.85 R23.1
LED_G: IC2.18 R22.1 | length 3.6
  Top Layer w0.254: IC2.18 R22.1
LED_R: IC2.17 R21.1 | length 4.1
  Top Layer w0.254: IC2.17 28.2,30.6 R21.1
MIC+: C13.2 IC1.8 | length 8
  Top Layer w0.381: IC1.8 45.71,16.29 46.8,15.2 46.8,11.3 C13.2
NetC4_1: C4.1 Q1.2 R3.2 R4.2 | length 6
  Top Layer w0.254: Q1.2 R4.2 C4.1 R3.2
NetC6_2: C6.2 R9.1 S1.2 | length 4.3
  Top Layer w0.3: C6.2 R9.1 S1.2
NetC8_1: C8.1 U2.8 | length 2.2
  Top Layer w0.254: C8.1 U2.8
NetC10_1: C10.1 Q3.1 R18.1 R19.2 | length 5
  Top Layer w0.3: C10.1 R19.2 Q3.1 R18.1
NetC11_1: C11.1 TP4.1 | length 1.7
  Top Layer w0.5: C11.1 TP4.1
NetC11_2: C11.2 R24.2 | length 1.6
  Top Layer w0.5: C11.2 R24.2
NetC12_1: C12.1 TP5.1 | length 3.3
  Top Layer w0.5: C12.1 47,24 47.5,24.5 TP5.1
NetC12_2: C12.2 R25.2 | length 4.4
  Top Layer w0.5: R25.2 49.4,19.83 49.4,21.4 C12.2
NetC13_1: C13.1 R27.2 TP6.1 | length 3.8
  Top Layer w0.381: R27.2 C13.1 TP6.1
NetD1_1: D1.1 Q2.4 R9.2 R10.1 | length 19.9
  Top Layer w0.254: 10.5,1.6 10.5,3.5 12.4,5.4 12.4,6.4 15.5,9.5 15.5,13.6 R9.2
  Top Layer w0.5: D1.1 10.5,1.6 R10.1 Q2.4
NetD2_1: D2.1 R5.1 | length 1.8
  Top Layer w0.254: D2.1 R5.1
NetD3_1: D3.1 D4.1 R18.2 | length 3.9
  Top Layer w0.254: R18.2 D4.1 D3.1
NetD3_2: D3.2 R12.2 | length 2.3
  Top Layer w0.3: D3.2 R12.2
NetD4_2: D4.2 R17.2 R20.2 | length 4.1
  Top Layer w0.254: R20.2 R17.2 D4.2
NetD5_1: D5.1 R22.2 | length 2.7
  Top Layer w0.254: R22.2 D5.1
NetD5_2: D5.2 R23.2 | length 4.8
  Top Layer w0.254: R23.2 33.5,32.7 34.35,31.85 D5.2
NetD5_4: D5.4 R21.2 | length 2.7
  Top Layer w0.254: R21.2 D5.4
NetIC1_23: IC1.23 R1.1 | length 2.3
  Top Layer w0.3: R1.1 IC1.23
NetIC2_1: IC2.1 R7.1 | length 47.4
  Top Layer w0.254: R7.1 -0.1,8.3 -0.1,27.1 1.4,28.6 2.5,28.6 8.1,34.2 v2(17.7,34.2) ; IC2.1 v2(21.7,32.3)
  Bottom Layer w0.254: v2(17.7,34.2) 19.8,34.2 v2(21.7,32.3)
NetIC2_13: IC2.13 R16.1 | length 3.9
  Top Layer w0.254: IC2.13 25.7,27.1 R16.1
NetIC2_14: IC2.14 R15.1 | length 5.8
  Top Layer w0.254: IC2.14 26.8,29.1 29.1,26.8 R15.1
NetIC2_23: IC2.23 R2.2 R6.2 | length 13.8
  Top Layer w0.254: R6.2 v2(15.9,31.1) R2.2 ; v2(18.6,31.1) 18.6,32.5 19.4,33.3 22.5,33.3 22.95,32.85 IC2.23
  Bottom Layer w0.254: v2(15.9,31.1) v2(18.6,31.1)
NetJ1_A5: J1.A5 R30.1 | length 2.4
  Top Layer w0.254: J1.A5 7.35,22.35 R30.1
NetL1_1: L1.1 U1.5 | length 5.6
  Top Layer w0.45: L1.1 19.08,5 21.3,5 21.902,4.398 U1.5
NetQ1_1: Q1.1 R8.2 R11.1 | length 4.8
  Top Layer w0.254: Q1.1 R11.1 24.8,20.5 R8.2
NetQ2_3: Q2.3 R10.2 R14.1 | length 4
  Top Layer w0.254: R10.2 12.9,4.2 Q2.3 R14.1
NetQ3_2: Q3.2 R14.2 | length 2.4
  Top Layer w0.254: R14.2 Q3.2
NetR5_2: R5.2 U2.6 | length 2.8
  Top Layer w0.254: U2.6 12.935,26.635 R5.2
NetR8_1: R8.1 R12.1 S1.1 | length 9
  Top Layer w0.254: R12.1 v2(23.8,13.1) ; v2(25.3,14.6) 25.9,15.2 S1.1 R8.1
  Bottom Layer w0.254: v2(23.8,13.1) v2(25.3,14.6)
NetR31_1: R31.1 U3.2 | length 4.8
  Top Layer w0.254: U3.2 9.735,14.435 10.1,14.8 11.8,14.8 R31.1
P_CONTROL: IC2.11 R17.1 | length 21.7
  Top Layer w0.254: R17.1 v2(21.9,15.1) ; IC2.11 24.45,25.25 27.3,22.4 27.3,16.2 v2(26.8,15.7)
  Bottom Layer w0.254: v2(21.9,15.1) 22.5,15.7 v2(26.8,15.7)
PTT_IN: C9.1 IC2.16 R13.2 TP7.1 | length 28.8
  Top Layer w0.254: IC2.16 26.7,30.1 28.4,28.4 32.35,28.4 R13.2 32.95,26.55 ; C9.1 32.95,26.55 ; v2(43.25,26.55) 32.95,26.55
  Bottom Layer w0.254: v2(43.25,26.55) TP7.1
RX0: IC1.26 R16.2 | length 20.9
  Top Layer w0.254: IC1.26 30.6,7.4 v2(31,7.8) ; R16.2 31,23.2 v2(31,9.6)
  Bottom Layer w0.254: v2(31,7.8) v2(31,9.6)
STBY: IC2.7 R28.2 U3.6 | length 32.7
  Top Layer w0.254: R28.2 8.465,6.265 v2(8.465,6.8) U3.6 ; v2(11.8,6.7) 14.9,9.8 14.9,17.2 16.8,19.1 v2(16.8,22.9) ; v2(20.9,27) 21.75,27.85 IC2.7
  Bottom Layer w0.254: v2(8.465,6.8) 9.365,5.9 11,5.9 v2(11.8,6.7) ; v2(16.8,22.9) v2(20.9,27)
TX0: IC1.25 R15.2 | length 20.4
  Top Layer w0.254: IC1.25 31.47,8.67 32.2,9.4 32.2,23.7 R15.2
UPDI: D2.2 R6.1 TP3.1 U2.7 | length 7.3
  Top Layer w0.254: U2.7 D2.2 TP3.1 R6.1
VBUS: J1.A4_B9 J1.B4_A9 R26.1 | length 12.1
  Top Layer w0.5: J1.A4_B9 6.1,23.5 5.1,22.5 5.1,19.7 6.1,18.7 J1.B4_A9 9.8,18.7 R26.1
VBUS_IN: C14.2 R26.2 R28.1 R29.1 U3.4 U3.8 | length 26.1
  Top Layer w0.254: R28.1 R29.1 11.005,5.67 U3.8 13.8,11.12 13.8,14.5 12.9,15.4 10.3,15.4 R26.2
  Top Layer w0.5: C14.2 U3.4 7.195,15.495 R26.2
VOUT: C1.2 L1.2 Q2.6 U1.1 U1.8 | length 10.9
  Top Layer w0.45: Q2.6 L1.2 C1.2 U1.8 U1.1
pads on no net: IC1.1 IC1.2 IC1.3 IC1.4 IC1.5 IC1.6 IC1.14 IC1.15 IC1.16 IC1.17 IC1.18 IC1.19 IC1.20 IC1.21 IC1.22 IC1.24 IC2.2 IC2.5 IC2.8 IC2.9 IC2.12 IC2.15 IC2.20 IC2.21 IC2.22 IC2.24 J1. J1.A6 J1.A7 J1.A8 Q2.1 Q2.2 Q2.5 U1.2 U1.3 U2.4
copper on no net:
  other v4: 2,3 51.5,3 2,32 51.5,32

## Polygon pours and split planes (outlines as drawn)
GND on Top Layer "GND_L01_P000" (solid, remove dead copper, pour order 0): 2.1,-0.1 26.8,-0.1 ccw(c26.8,1) 27.9,0.999 27.9,5 cw(c28.8,5) 28.799,5.9 45.3,5.9 cw(c45.3,5) 46.2,5.001 46.2,1 ccw(c47.3,1.001) 47.3,-0.1 51.389,-0.1 ccw(c51.411,3.089) 54.6,3.089 54.6,12.25 ccw(c53.5,12.25) 53.501,13.35 51.5,13.35 cw(c51.5,14.25) 50.6,14.25 50.6,22.25 cw(c51.5,22.25) 51.5,23.15 53.5,23.15 ccw(c53.5,24.25) 54.6,24.249 54.6,31.9 ccw(c51.4,31.9) 51.4,35.1 2.1,35.1 ccw(c2.1,31.9) -1.1,31.9 -1.1,3.101 ccw(c2.1,3.1)
GND on Bottom Layer "GND_L02_P001" (solid, remove dead copper, pour order 1): 2.1,-0.1 26.8,-0.1 ccw(c26.8,1) 27.9,0.999 27.9,5 cw(c28.8,5) 28.799,5.9 45.3,5.9 cw(c45.3,5) 46.2,5.001 46.2,1 ccw(c47.3,1.001) 47.3,-0.1 51.389,-0.1 ccw(c51.411,3.089) 54.6,3.089 54.6,12.25 ccw(c53.5,12.25) 53.501,13.35 51.5,13.35 cw(c51.5,14.25) 50.6,14.25 50.6,22.25 cw(c51.5,22.25) 51.5,23.15 53.5,23.15 ccw(c53.5,24.25) 54.6,24.249 54.6,31.9 ccw(c51.4,31.9) 51.4,35.1 2.1,35.1 ccw(c2.1,31.9) -1.1,31.9 -1.1,3.101 ccw(c2.1,3.1)

## Keep-outs
Keep-Out Layer:
  the board outline again, w0.2

## Silkscreen, mask and mechanical layers (free items; w line width, h text height)
Top Overlay:
  circle w0.15: c51.5,32 r3
  circle w0.15: c51.5,3 r3
  circle w0.15: c2,3 r3
  circle w0.15: c2,32 r3
  text "GND" at 6.6,32.4 h1.5
  text "UPDI" at 10,32.4 h1.5
  text "BLE AUDIO  / TRANSMITTER" at 35.5,31.1 h1.8
  text "REV 3.0" at 42.8,29.9 h1.5
  text "5V" at 18.3,28.9 h1.5 r90
  text "klein Electronics" at 37.7,27.4 h1.3
Bottom Overlay:
  circle w0.2: c36.477,15.313 r0.4
  circle w0.2: c36.477,15.313 r0.1
  circle w0.15: c37.2,19.383 r0.15
  region: 35,18.283 35.98,18.283 35.98,17.9 35,17.9
  region: 33.504,15.286 33.887,15.286 33.887,14.903 33.504,14.903
  lines w0.2: 32.009,14.586 37.991,19.581 ; 32.009,19.581 37.991,14.586 ; 32.707,19.282 36.994,19.282 ; 34.7,19.701 34.7,19.583 35.544,19.583 35.544,19.739 ; 36.994,19.282 36.695,19.782 33.305,19.782 33.006,19.282 33.504,15.286 36.496,15.286 36.994,19.282 ; 36.795,18.283 37.094,18.283 37.193,18.782 36.795,18.782 36.795,18.283
  text "PTT" at 49.7,26 h1.8
  text "SL" at 47.2,24 h1.8
  text "M-" at 45.7,20 h1.8
  text "RoHS" at 25,17.5 h3
  text "COMPLIANT" at 24.96,16 h1.3
  text "BAT-" at 3.936,14.4 h1.5
  text "SR" at 47.4,11.9 h1.8
  text "M+" at 49.8,9.9 h1.8
  text "BAT+" at 4.1,6 h1.5